# Altium PCB JTAG-批量下载V06.PcbDoc (part 13 of 13)
Units mil, origin at the board's own origin, x right, y up, seen from the top; angles counter-clockwise.
Board outline 6380 x 5290 mil, 2 copper layers (Top Layer, Bottom Layer); 190 components, 238 nets, 1050 pads, 459 vias.
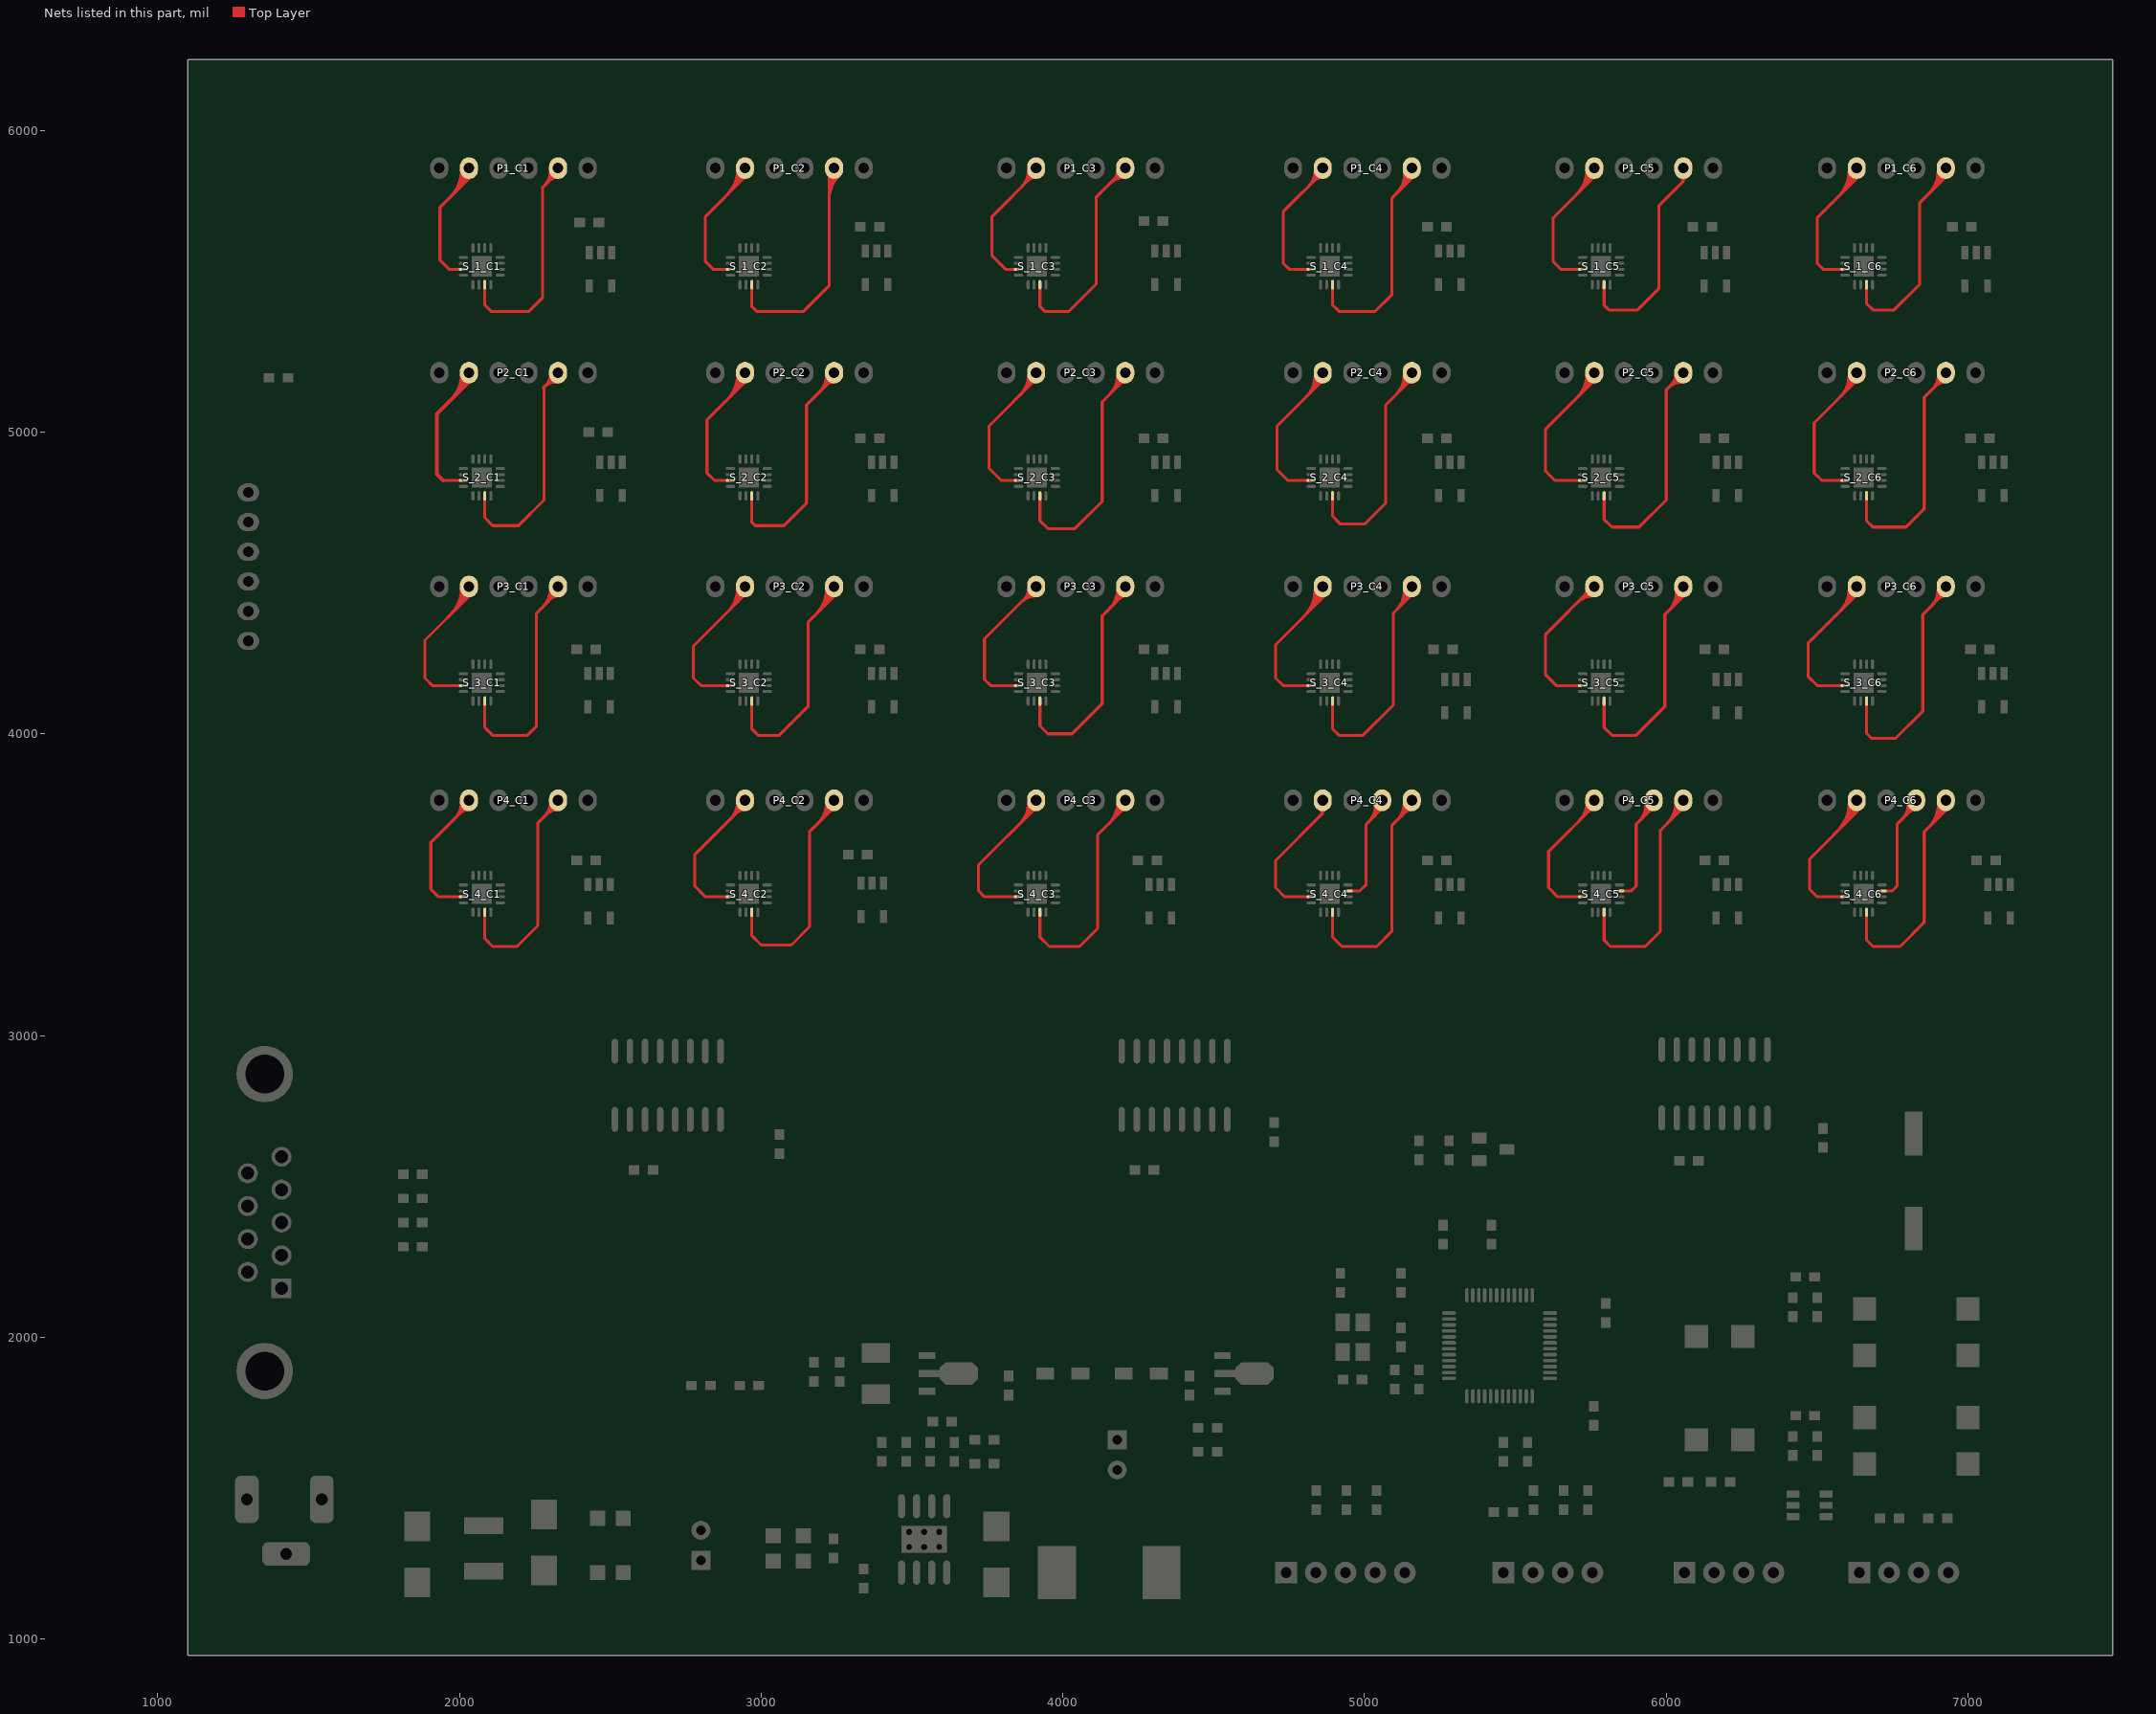
[diagram p13: the nets of this part, all layers, seen from the top]

## Via types
v1: diameter 32, hole 16, Top Layer to Bottom Layer, 347 vias
v2: diameter 50, hole 28, Top Layer to Bottom Layer, 63 vias
v3: diameter 40, hole 20, Top Layer to Bottom Layer, 49 vias

## Nets (pads, with @x,y where several pads share a name; then routed paths per layer and width w, separated by ;. In a path a pad name is that pad's centre, name@x,y a point inside that pad or via, vN(x,y) a via of type N, cw(c..) or ccw(c..) an arc to the next point about the centre after c; other vN are vias at no path point) (continued)
TDI_4_C4: P4_C4.3 S_4_C4.3 | length 822.8
  Top Layer w10: S_4_C4.3@4945,3479.37 4984.37,3479.37 5005,3500 5005,3700 P4_C4.3@5070,3765 ; 5015.19,3710.19 ccw(c4968.25,3757.13) P4_C4.3@5033.56,3769.04 ; 5015.19,3710.19 ccw(c4968.25,3757.13) P4_C4.3@5033.56,3769.04 ; 5015.19,3710.19 ccw(c4968.25,3757.13) P4_C4.3@5033.56,3769.04 ; 5028.68,3723.68 ccw(c4991.06,3761.29) P4_C4.3@5043.39,3770.84 ; 5028.68,3723.68 ccw(c4991.06,3761.29) P4_C4.3@5043.39,3770.84 ; 5028.68,3723.68 ccw(c4991.06,3761.29) P4_C4.3@5043.39,3770.84 ; 5042.16,3737.16 ccw(c5013.88,3765.45) P4_C4.3@5053.23,3772.63 ; 5042.16,3737.16 ccw(c5013.88,3765.45) P4_C4.3@5053.23,3772.63 ; 5042.16,3737.16 ccw(c5013.88,3765.45) P4_C4.3@5053.23,3772.63
TDI_4_C5: P4_C5.3 S_4_C5.3 | length 894.1
  Top Layer w10: S_4_C5.3@5845,3479.37 5884.37,3479.37 5900,3495 5900,3700 P4_C5.3@5960,3760 ; 5907.69,3707.69 ccw(c5846.04,3769.34) P4_C5.3@5933.17,3772.59 ; 5907.69,3707.69 ccw(c5846.04,3769.34) P4_C5.3@5933.17,3772.59 ; 5907.69,3707.69 ccw(c5846.04,3769.34) P4_C5.3@5933.17,3772.59 ; 5923.9,3723.9 ccw(c5877.29,3770.51) P4_C5.3@5943.16,3772.97 ; 5923.9,3723.9 ccw(c5877.29,3770.51) P4_C5.3@5943.16,3772.97 ; 5923.9,3723.9 ccw(c5877.29,3770.51) P4_C5.3@5943.16,3772.97 ; 5940.11,3740.11 ccw(c5908.54,3771.68) P4_C5.3@5953.15,3773.34 ; 5940.11,3740.11 ccw(c5908.54,3771.68) P4_C5.3@5953.15,3773.34 ; 5940.11,3740.11 ccw(c5908.54,3771.68) P4_C5.3@5953.15,3773.34 ; 5941.72,3741.72 cw(c5958.15,3725.3) P4_C5.3@5958.15,3748.53 ; 5941.72,3741.72 cw(c5958.15,3725.3) P4_C5.3@5958.15,3748.53 ; 5941.72,3741.72 cw(c5958.15,3725.3) P4_C5.3@5958.15,3748.53
TDI_4_C6: P4_C6.3 S_4_C6.3 | length 876.7
  Top Layer w10: S_4_C6.3@6715,3479.37 6749.37,3479.37 6765,3495 6765,3700 P4_C6.3@6835,3770 ; 6778.13,3713.13 ccw(c6717.74,3773.53) P4_C6.3@6803.15,3773.53 ; 6778.13,3713.13 ccw(c6717.74,3773.53) P4_C6.3@6803.15,3773.53 ; 6778.13,3713.13 ccw(c6717.74,3773.53) P4_C6.3@6803.15,3773.53 ; 6795.21,3730.21 ccw(c6751.88,3773.53) P4_C6.3@6813.15,3773.53 ; 6795.21,3730.21 ccw(c6751.88,3773.53) P4_C6.3@6813.15,3773.53 ; 6795.21,3730.21 ccw(c6751.88,3773.53) P4_C6.3@6813.15,3773.53 ; 6803.19,3738.19 cw(c6828.15,3713.23) P4_C6.3@6828.15,3748.53 ; 6803.19,3738.19 cw(c6828.15,3713.23) P4_C6.3@6828.15,3748.53 ; 6803.19,3738.19 cw(c6828.15,3713.23) P4_C6.3@6828.15,3748.53 ; 6812.28,3747.28 ccw(c6786.03,3773.53) P4_C6.3@6823.15,3773.53 ; 6812.28,3747.28 ccw(c6786.03,3773.53) P4_C6.3@6823.15,3773.53 ; 6812.28,3747.28 ccw(c6786.03,3773.53) P4_C6.3@6823.15,3773.53
TDO_1_C1: P1_C1.2 S_1_C1.15 | length 1140.1
  Top Layer w10: S_1_C1.15@2083.82,5488.5 2083.82,5421.18 2105,5400 2230,5400 2275,5445 2275,5810 P1_C1.2@2330,5865 ; 2278.72,5813.72 ccw(c2223.53,5868.9) P1_C1.2@2301.57,5868.98 ; 2278.72,5813.72 ccw(c2223.53,5868.9) P1_C1.2@2301.57,5868.98 ; 2278.72,5813.72 ccw(c2223.53,5868.9) P1_C1.2@2301.57,5868.98 ; 2295.76,5830.76 ccw(c2257.59,5868.93) P1_C1.2@2311.57,5868.99 ; 2295.76,5830.76 ccw(c2257.59,5868.93) P1_C1.2@2311.57,5868.99 ; 2295.76,5830.76 ccw(c2257.59,5868.93) P1_C1.2@2311.57,5868.99 ; 2296.57,5831.57 cw(c2326.57,5801.57) P1_C1.2@2326.57,5844 ; 2296.57,5831.57 cw(c2326.57,5801.57) P1_C1.2@2326.57,5844 ; 2296.57,5831.57 cw(c2326.57,5801.57) P1_C1.2@2326.57,5844
TDO_1_C2: P1_C2.2 S_1_C2.15 | length 1528.1
  Top Layer w10: S_1_C2.15@2968.82,5488.5 2968.82,5416.18 2985,5400 3140,5400 3225,5485 3225,5858.43 P1_C2.2@3241.57,5875 ; 3225,5768.63 cw(c3341.94,5768.63) P1_C2.2@3259.25,5851.32 ; 3225,5768.63 cw(c3341.94,5768.63) P1_C2.2@3259.25,5851.32 ; 3225,5768.63 cw(c3341.94,5768.63) P1_C2.2@3259.25,5851.32 ; 3225,5792.77 cw(c3317.8,5792.77) P1_C2.2@3252.18,5858.39 ; 3225,5792.77 cw(c3317.8,5792.77) P1_C2.2@3252.18,5858.39 ; 3225,5792.77 cw(c3317.8,5792.77) P1_C2.2@3252.18,5858.39 ; 3225,5816.92 cw(c3293.66,5816.92) P1_C2.2@3245.11,5865.46 ; 3225,5816.92 cw(c3293.66,5816.92) P1_C2.2@3245.11,5865.46 ; 3225,5816.92 cw(c3293.66,5816.92) P1_C2.2@3245.11,5865.46 ; 3225,5841.06 cw(c3269.52,5841.06) P1_C2.2@3238.04,5872.54 ; 3225,5841.06 cw(c3269.52,5841.06) P1_C2.2@3238.04,5872.54 ; 3225,5841.06 cw(c3269.52,5841.06) P1_C2.2@3238.04,5872.54
TDO_1_C3: P1_C3.2 S_1_C3.15 | length 1131.4
  Top Layer w10: S_1_C3.15@3923.82,5488.5 3923.82,5416.18 3940,5400 4020,5400 4110,5490 4110,5778.43 P1_C3.2@4206.57,5875 ; 4153.65,5822.08 cw(c4206.57,5769.16) P1_C3.2@4206.57,5844 ; 4153.65,5822.08 cw(c4206.57,5769.16) P1_C3.2@4206.57,5844 ; 4153.65,5822.08 cw(c4206.57,5769.16) P1_C3.2@4206.57,5844 ; 4168.14,5836.56 ccw(c4135.7,5869) P1_C3.2@4181.57,5869 ; 4168.14,5836.56 ccw(c4135.7,5869) P1_C3.2@4181.57,5869 ; 4168.14,5836.56 ccw(c4135.7,5869) P1_C3.2@4181.57,5869 ; 4170.72,5839.15 cw(c4206.57,5803.3) P1_C3.2@4206.57,5854 ; 4170.72,5839.15 cw(c4206.57,5803.3) P1_C3.2@4206.57,5854 ; 4170.72,5839.15 cw(c4206.57,5803.3) P1_C3.2@4206.57,5854
TDO_1_C4: P1_C4.2 S_1_C4.15 | length 1491.3
  Top Layer w10: S_1_C4.15@4893.82,5488.5 4893.82,5421.18 4915,5400 5035,5400 5090,5455 5090,5775 5156.57,5841.57 P1_C4.2@5156.57,5875 ; 5103.72,5788.72 ccw(c5035.11,5857.32) P1_C4.2@5131.69,5866.61 ; 5103.72,5788.72 ccw(c5035.11,5857.32) P1_C4.2@5131.69,5866.61 ; 5103.72,5788.72 ccw(c5035.11,5857.32) P1_C4.2@5131.69,5866.61 ; 5118.71,5803.71 ccw(c5062.47,5859.95) P1_C4.2@5141.64,5867.56 ; 5118.71,5803.71 ccw(c5062.47,5859.95) P1_C4.2@5141.64,5867.56 ; 5118.71,5803.71 ccw(c5062.47,5859.95) P1_C4.2@5141.64,5867.56 ; 5133.71,5818.71 ccw(c5089.83,5862.58) P1_C4.2@5151.6,5868.52 ; 5133.71,5818.71 ccw(c5089.83,5862.58) P1_C4.2@5151.6,5868.52 ; 5133.71,5818.71 ccw(c5089.83,5862.58) P1_C4.2@5151.6,5868.52 ; 5148.7,5833.7 ccw(c5117.19,5865.21) P1_C4.2@5161.55,5869.48 ; 5148.7,5833.7 ccw(c5117.19,5865.21) P1_C4.2@5161.55,5869.48 ; 5148.7,5833.7 ccw(c5117.19,5865.21) P1_C4.2@5161.55,5869.48
TDO_1_C5: P1_C5.2 S_1_C5.15 | length 827.6
  Top Layer w10: S_1_C5.15@5793.82,5488.5 5793.82,5421.18 5810,5405 5905,5405 5975,5475 5975,5750 6056.57,5831.57 ; P1_C5.2@6056.57,5875 6056.57,5831.57 ; P1_C5.2@6047,5845.91 cw(c6041.06,5831.57) 6056.57,5831.57 ; P1_C5.2@6047,5845.91 cw(c6041.06,5831.57) 6056.57,5831.57 ; P1_C5.2@6047,5845.91 cw(c6041.06,5831.57) 6056.57,5831.57 ; 6056.57,5831.57 cw(c6072.09,5831.57) P1_C5.2@6066.15,5845.91 ; 6056.57,5831.57 cw(c6072.09,5831.57) P1_C5.2@6066.15,5845.91 ; 6056.57,5831.57 cw(c6072.09,5831.57) P1_C5.2@6066.15,5845.91
TDO_1_C6: P1_C6.2 S_1_C6.15 | length 1441.1
  Top Layer w10: S_1_C6.15@6663.82,5488.5 6663.82,5426.18 6685,5405 6755,5405 6840,5490 6840,5760 6926.57,5846.57 P1_C6.2@6926.57,5875 ; 6868.04,5788.04 ccw(c6787.08,5869) P1_C6.2@6901.57,5869 ; 6868.04,5788.04 ccw(c6787.08,5869) P1_C6.2@6901.57,5869 ; 6868.04,5788.04 ccw(c6787.08,5869) P1_C6.2@6901.57,5869 ; 6885.11,5805.11 ccw(c6821.22,5869) P1_C6.2@6911.57,5869 ; 6885.11,5805.11 ccw(c6821.22,5869) P1_C6.2@6911.57,5869 ; 6885.11,5805.11 ccw(c6821.22,5869) P1_C6.2@6911.57,5869 ; 6902.18,5822.18 ccw(c6855.36,5869) P1_C6.2@6921.57,5869 ; 6902.18,5822.18 ccw(c6855.36,5869) P1_C6.2@6921.57,5869 ; 6902.18,5822.18 ccw(c6855.36,5869) P1_C6.2@6921.57,5869 ; 6919.25,5839.25 ccw(c6889.5,5869) P1_C6.2@6931.57,5869 ; 6919.25,5839.25 ccw(c6889.5,5869) P1_C6.2@6931.57,5869 ; 6919.25,5839.25 ccw(c6889.5,5869) P1_C6.2@6931.57,5869
TDO_2_C1: P2_C1.2 S_2_C1.15 | length 1132.6
  Top Layer w10: S_2_C1.15@2083.82,4788.5 2083.82,4716.18 2110,4690 2195,4690 2280,4775 2280,5150.28 P2_C1.2@2326.57,5196.85 ; 2277,5147.28 cw(c2322.11,5102.17) P2_C1.2@2325.32,5165.88 ; 2277,5147.28 cw(c2322.11,5102.17) P2_C1.2@2325.32,5165.88 ; 2277,5147.28 cw(c2322.11,5102.17) P2_C1.2@2325.32,5165.88 ; 2288.14,5158.42 ccw(c2255.7,5190.85) P2_C1.2@2301.57,5190.85 ; 2288.14,5158.42 ccw(c2255.7,5190.85) P2_C1.2@2301.57,5190.85 ; 2288.14,5158.42 ccw(c2255.7,5190.85) P2_C1.2@2301.57,5190.85 ; 2292.93,5163.2 cw(c2323.64,5132.5) P2_C1.2@2325.82,5175.87 ; 2292.93,5163.2 cw(c2323.64,5132.5) P2_C1.2@2325.82,5175.87 ; 2292.93,5163.2 cw(c2323.64,5132.5) P2_C1.2@2325.82,5175.87
TDO_2_C2: P2_C2.2 S_2_C2.15 | length 1193.1
  Top Layer w10: S_2_C2.15@2968.82,4788.5 2968.82,4701.18 2980,4690 3075,4690 3150,4765 3150,5090 P2_C2.2@3250,5190 ; 3192.34,5132.34 ccw(c3133.82,5190.85) P2_C2.2@3216.57,5190.85 ; 3192.34,5132.34 ccw(c3133.82,5190.85) P2_C2.2@3216.57,5190.85 ; 3192.34,5132.34 ccw(c3133.82,5190.85) P2_C2.2@3216.57,5190.85 ; 3209.41,5149.41 ccw(c3167.97,5190.85) P2_C2.2@3226.57,5190.85 ; 3209.41,5149.41 ccw(c3167.97,5190.85) P2_C2.2@3226.57,5190.85 ; 3209.41,5149.41 ccw(c3167.97,5190.85) P2_C2.2@3226.57,5190.85 ; 3214.73,5154.73 cw(c3241.57,5127.89) P2_C2.2@3241.57,5165.85 ; 3214.73,5154.73 cw(c3241.57,5127.89) P2_C2.2@3241.57,5165.85 ; 3214.73,5154.73 cw(c3241.57,5127.89) P2_C2.2@3241.57,5165.85
TDO_2_C3: P2_C3.2 S_2_C3.15 | length 1355.8
  Top Layer w10: S_2_C3.15@3923.82,4788.5 3923.82,4706.18 3950,4680 4040,4680 4130,4770 4130,5100 4206.57,5176.57 P2_C3.2@4206.57,5196.85 ; 4153.8,5123.8 ccw(c4086.75,5190.85) P2_C3.2@4181.57,5190.85 ; 4153.8,5123.8 ccw(c4086.75,5190.85) P2_C3.2@4181.57,5190.85 ; 4153.8,5123.8 ccw(c4086.75,5190.85) P2_C3.2@4181.57,5190.85 ; 4170.87,5140.87 ccw(c4120.89,5190.85) P2_C3.2@4191.57,5190.85 ; 4170.87,5140.87 ccw(c4120.89,5190.85) P2_C3.2@4191.57,5190.85 ; 4170.87,5140.87 ccw(c4120.89,5190.85) P2_C3.2@4191.57,5190.85 ; 4187.94,5157.94 ccw(c4155.04,5190.85) P2_C3.2@4201.57,5190.85 ; 4187.94,5157.94 ccw(c4155.04,5190.85) P2_C3.2@4201.57,5190.85 ; 4187.94,5157.94 ccw(c4155.04,5190.85) P2_C3.2@4201.57,5190.85 ; 4188.27,5158.27 cw(c4206.57,5139.96) P2_C3.2@4206.57,5165.85 ; 4188.27,5158.27 cw(c4206.57,5139.96) P2_C3.2@4206.57,5165.85 ; 4188.27,5158.27 cw(c4206.57,5139.96) P2_C3.2@4206.57,5165.85
TDO_2_C4: P2_C4.2 S_2_C4.15 | length 1311.7
  Top Layer w10: S_2_C4.15@4893.82,4788.5 4893.82,4721.18 4920,4695 5000,4695 5070,4765 5070,5090 5156.57,5176.57 P2_C4.2@5156.57,5196.85 ; 5103.8,5123.8 ccw(c5036.75,5190.85) P2_C4.2@5131.57,5190.85 ; 5103.8,5123.8 ccw(c5036.75,5190.85) P2_C4.2@5131.57,5190.85 ; 5103.8,5123.8 ccw(c5036.75,5190.85) P2_C4.2@5131.57,5190.85 ; 5120.87,5140.87 ccw(c5070.89,5190.85) P2_C4.2@5141.57,5190.85 ; 5120.87,5140.87 ccw(c5070.89,5190.85) P2_C4.2@5141.57,5190.85 ; 5120.87,5140.87 ccw(c5070.89,5190.85) P2_C4.2@5141.57,5190.85 ; 5137.94,5157.94 ccw(c5105.04,5190.85) P2_C4.2@5151.57,5190.85 ; 5137.94,5157.94 ccw(c5105.04,5190.85) P2_C4.2@5151.57,5190.85 ; 5137.94,5157.94 ccw(c5105.04,5190.85) P2_C4.2@5151.57,5190.85 ; 5138.27,5158.27 cw(c5156.57,5139.96) P2_C4.2@5156.57,5165.85 ; 5138.27,5158.27 cw(c5156.57,5139.96) P2_C4.2@5156.57,5165.85 ; 5138.27,5158.27 cw(c5156.57,5139.96) P2_C4.2@5156.57,5165.85
TDO_2_C5: P2_C5.2 S_2_C5.15 | length 1180.8
  Top Layer w10: S_2_C5.15@5793.82,4788.5 5793.82,4711.18 5820,4685 5910,4685 6000,4775 6000,5140.28 P2_C5.2@6056.57,5196.85 ; 6003.65,5143.93 cw(c6056.57,5091.01) P2_C5.2@6056.57,5165.85 ; 6003.65,5143.93 cw(c6056.57,5091.01) P2_C5.2@6056.57,5165.85 ; 6003.65,5143.93 cw(c6056.57,5091.01) P2_C5.2@6056.57,5165.85 ; 6018.14,5158.42 ccw(c5985.7,5190.85) P2_C5.2@6031.57,5190.85 ; 6018.14,5158.42 ccw(c5985.7,5190.85) P2_C5.2@6031.57,5190.85 ; 6018.14,5158.42 ccw(c5985.7,5190.85) P2_C5.2@6031.57,5190.85 ; 6020.72,5161 cw(c6056.57,5125.15) P2_C5.2@6056.57,5175.85 ; 6020.72,5161 cw(c6056.57,5125.15) P2_C5.2@6056.57,5175.85 ; 6020.72,5161 cw(c6056.57,5125.15) P2_C5.2@6056.57,5175.85
TDO_2_C6: P2_C6.2 S_2_C6.15 | length 1177.3
  Top Layer w10: S_2_C6.15@6663.82,4788.5 6663.82,4706.18 6685,4685 6795,4685 6855,4745 6855,5115 P2_C6.2@6930,5190 ; 6880.87,5140.87 ccw(c6830.89,5190.85) P2_C6.2@6901.57,5190.85 ; 6880.87,5140.87 ccw(c6830.89,5190.85) P2_C6.2@6901.57,5190.85 ; 6880.87,5140.87 ccw(c6830.89,5190.85) P2_C6.2@6901.57,5190.85 ; 6891.2,5151.2 cw(c6926.57,5115.82) P2_C6.2@6926.57,5165.85 ; 6891.2,5151.2 cw(c6926.57,5115.82) P2_C6.2@6926.57,5165.85 ; 6891.2,5151.2 cw(c6926.57,5115.82) P2_C6.2@6926.57,5165.85 ; 6897.94,5157.94 ccw(c6865.04,5190.85) P2_C6.2@6911.57,5190.85 ; 6897.94,5157.94 ccw(c6865.04,5190.85) P2_C6.2@6911.57,5190.85 ; 6897.94,5157.94 ccw(c6865.04,5190.85) P2_C6.2@6911.57,5190.85
TDO_3_C1: P3_C1.2 S_3_C1.15 | length 1288.9
  Top Layer w10: S_3_C1.15@2083.82,4108.5 2083.82,4021.18 2110,3995 2225,3995 2255,4025 2255,4400 P3_C1.2@2335,4480 ; 2276.39,4421.39 ccw(c2215.59,4482.19) P3_C1.2@2301.57,4482.19 ; 2276.39,4421.39 ccw(c2215.59,4482.19) P3_C1.2@2301.57,4482.19 ; 2276.39,4421.39 ccw(c2215.59,4482.19) P3_C1.2@2301.57,4482.19 ; 2293.46,4438.46 ccw(c2249.73,4482.19) P3_C1.2@2311.57,4482.19 ; 2293.46,4438.46 ccw(c2249.73,4482.19) P3_C1.2@2311.57,4482.19 ; 2293.46,4438.46 ccw(c2249.73,4482.19) P3_C1.2@2311.57,4482.19 ; 2302.02,4447.02 cw(c2326.57,4422.46) P3_C1.2@2326.57,4457.19 ; 2302.02,4447.02 cw(c2326.57,4422.46) P3_C1.2@2326.57,4457.19 ; 2302.02,4447.02 cw(c2326.57,4422.46) P3_C1.2@2326.57,4457.19 ; 2310.53,4455.53 ccw(c2283.88,4482.19) P3_C1.2@2321.57,4482.19 ; 2310.53,4455.53 ccw(c2283.88,4482.19) P3_C1.2@2321.57,4482.19 ; 2310.53,4455.53 ccw(c2283.88,4482.19) P3_C1.2@2321.57,4482.19
TDO_3_C2: P3_C2.2 S_3_C2.15 | length 1571.3
  Top Layer w10: S_3_C2.15@2968.82,4108.5 2968.82,4016.18 2990,3995 3060,3995 3155,4090 3155,4370 3250,4465 P3_C2.2@3250,4485 ; 3180.78,4395.78 ccw(c3094.38,4482.19) P3_C2.2@3216.57,4482.19 ; 3180.78,4395.78 ccw(c3094.38,4482.19) P3_C2.2@3216.57,4482.19 ; 3180.78,4395.78 ccw(c3094.38,4482.19) P3_C2.2@3216.57,4482.19 ; 3197.85,4412.85 ccw(c3128.52,4482.19) P3_C2.2@3226.57,4482.19 ; 3197.85,4412.85 ccw(c3128.52,4482.19) P3_C2.2@3226.57,4482.19 ; 3197.85,4412.85 ccw(c3128.52,4482.19) P3_C2.2@3226.57,4482.19 ; 3214.93,4429.93 ccw(c3162.66,4482.19) P3_C2.2@3236.57,4482.19 ; 3214.93,4429.93 ccw(c3162.66,4482.19) P3_C2.2@3236.57,4482.19 ; 3214.93,4429.93 ccw(c3162.66,4482.19) P3_C2.2@3236.57,4482.19 ; 3232,4447 ccw(c3196.8,4482.19) P3_C2.2@3246.57,4482.19 ; 3232,4447 ccw(c3196.8,4482.19) P3_C2.2@3246.57,4482.19 ; 3232,4447 ccw(c3196.8,4482.19) P3_C2.2@3246.57,4482.19
TDO_3_C3: P3_C3.2 S_3_C3.15 | length 1326.8
  Top Layer w10: S_3_C3.15@3923.82,4108.5 3923.82,4026.18 3950,4000 4030,4000 4130,4100 4130,4390 P3_C3.2@4215,4475 ; 4152.85,4412.85 ccw(c4083.52,4482.19) P3_C3.2@4181.57,4482.19 ; 4152.85,4412.85 ccw(c4083.52,4482.19) P3_C3.2@4181.57,4482.19 ; 4152.85,4412.85 ccw(c4083.52,4482.19) P3_C3.2@4181.57,4482.19 ; 4169.93,4429.93 ccw(c4117.66,4482.19) P3_C3.2@4191.57,4482.19 ; 4169.93,4429.93 ccw(c4117.66,4482.19) P3_C3.2@4191.57,4482.19 ; 4169.93,4429.93 ccw(c4117.66,4482.19) P3_C3.2@4191.57,4482.19 ; 4187,4447 ccw(c4151.81,4482.19) P3_C3.2@4201.57,4482.19 ; 4187,4447 ccw(c4151.81,4482.19) P3_C3.2@4201.57,4482.19 ; 4187,4447 ccw(c4151.81,4482.19) P3_C3.2@4201.57,4482.19 ; 4190.55,4450.55 cw(c4206.57,4434.53) P3_C3.2@4206.57,4457.19 ; 4190.55,4450.55 cw(c4206.57,4434.53) P3_C3.2@4206.57,4457.19 ; 4190.55,4450.55 cw(c4206.57,4434.53) P3_C3.2@4206.57,4457.19
TDO_3_C4: P3_C4.2 S_3_C4.15 | length 1302.8
  Top Layer w10: S_3_C4.15@4893.82,4108.5 4893.82,4016.18 4915,3995 4995,3995 5095,4095 5095,4400 P3_C4.2@5170,4475 ; 5105.31,4410.31 ccw(c5041.26,4474.36) P3_C4.2@5131.63,4480.5 ; 5105.31,4410.31 ccw(c5041.26,4474.36) P3_C4.2@5131.63,4480.5 ; 5105.31,4410.31 ccw(c5041.26,4474.36) P3_C4.2@5131.63,4480.5 ; 5120.87,4425.87 ccw(c5070.4,4476.34) P3_C4.2@5141.61,4481.17 ; 5120.87,4425.87 ccw(c5070.4,4476.34) P3_C4.2@5141.61,4481.17 ; 5120.87,4425.87 ccw(c5070.4,4476.34) P3_C4.2@5141.61,4481.17 ; 5136.42,4441.42 ccw(c5099.53,4478.32) P3_C4.2@5151.59,4481.85 ; 5136.42,4441.42 ccw(c5099.53,4478.32) P3_C4.2@5151.59,4481.85 ; 5136.42,4441.42 ccw(c5099.53,4478.32) P3_C4.2@5151.59,4481.85
TDO_3_C5: P3_C5.2 S_3_C5.15 | length 1427.2
  Top Layer w10: S_3_C5.15@5793.82,4108.5 5793.82,4021.18 5820,3995 5900,3995 5995,4090 5995,4395 P3_C5.2@6070,4470 ; 6007.81,4407.81 ccw(c5948.07,4467.55) P3_C5.2@6031.8,4478.85 ; 6007.81,4407.81 ccw(c5948.07,4467.55) P3_C5.2@6031.8,4478.85 ; 6007.81,4407.81 ccw(c5948.07,4467.55) P3_C5.2@6031.8,4478.85 ; 6022.09,4422.09 ccw(c5973.24,4470.95) P3_C5.2@6041.71,4480.18 ; 6022.09,4422.09 ccw(c5973.24,4470.95) P3_C5.2@6041.71,4480.18 ; 6022.09,4422.09 ccw(c5973.24,4470.95) P3_C5.2@6041.71,4480.18 ; 6036.37,4436.37 ccw(c5998.4,4474.34) P3_C5.2@6051.62,4481.52 ; 6036.37,4436.37 ccw(c5998.4,4474.34) P3_C5.2@6051.62,4481.52 ; 6036.37,4436.37 ccw(c5998.4,4474.34) P3_C5.2@6051.62,4481.52 ; 6050.65,4450.65 ccw(c6023.57,4477.74) P3_C5.2@6061.53,4482.86 ; 6050.65,4450.65 ccw(c6023.57,4477.74) P3_C5.2@6061.53,4482.86 ; 6050.65,4450.65 ccw(c6023.57,4477.74) P3_C5.2@6061.53,4482.86
TDO_3_C6: P3_C6.2 S_3_C6.15 | length 1289.6
  Top Layer w10: S_3_C6.15@6663.82,4108.5 6663.82,4001.18 6680,3985 6760,3985 6850,4075 6850,4395 P3_C6.2@6930,4475 ; 6876.39,4421.39 ccw(c6815.59,4482.19) P3_C6.2@6901.57,4482.19 ; 6876.39,4421.39 ccw(c6815.59,4482.19) P3_C6.2@6901.57,4482.19 ; 6876.39,4421.39 ccw(c6815.59,4482.19) P3_C6.2@6901.57,4482.19 ; 6893.46,4438.46 ccw(c6849.73,4482.19) P3_C6.2@6911.57,4482.19 ; 6893.46,4438.46 ccw(c6849.73,4482.19) P3_C6.2@6911.57,4482.19 ; 6893.46,4438.46 ccw(c6849.73,4482.19) P3_C6.2@6911.57,4482.19 ; 6902.02,4447.02 cw(c6926.57,4422.46) P3_C6.2@6926.57,4457.19 ; 6902.02,4447.02 cw(c6926.57,4422.46) P3_C6.2@6926.57,4457.19 ; 6902.02,4447.02 cw(c6926.57,4422.46) P3_C6.2@6926.57,4457.19 ; 6910.53,4455.53 ccw(c6883.88,4482.19) P3_C6.2@6921.57,4482.19 ; 6910.53,4455.53 ccw(c6883.88,4482.19) P3_C6.2@6921.57,4482.19 ; 6910.53,4455.53 ccw(c6883.88,4482.19) P3_C6.2@6921.57,4482.19
TDO_4_C1: P4_C1.2 S_4_C1.15 | length 1197.4
  Top Layer w10: S_4_C1.15@2083.82,3408.5 2083.82,3321.18 2110,3295 2190,3295 2260,3365 2260,3705 P4_C1.2@2330,3775 ; 2282.51,3727.51 ccw(c2236.5,3773.53) P4_C1.2@2301.57,3773.53 ; 2282.51,3727.51 ccw(c2236.5,3773.53) P4_C1.2@2301.57,3773.53 ; 2282.51,3727.51 ccw(c2236.5,3773.53) P4_C1.2@2301.57,3773.53 ; 2287.23,3732.23 cw(c2326.57,3692.89) P4_C1.2@2326.57,3748.53 ; 2287.23,3732.23 cw(c2326.57,3692.89) P4_C1.2@2326.57,3748.53 ; 2287.23,3732.23 cw(c2326.57,3692.89) P4_C1.2@2326.57,3748.53 ; 2299.59,3744.59 ccw(c2270.64,3773.53) P4_C1.2@2311.57,3773.53 ; 2299.59,3744.59 ccw(c2270.64,3773.53) P4_C1.2@2311.57,3773.53 ; 2299.59,3744.59 ccw(c2270.64,3773.53) P4_C1.2@2311.57,3773.53 ; 2304.3,3749.3 cw(c2326.57,3727.03) P4_C1.2@2326.57,3758.53 ; 2304.3,3749.3 cw(c2326.57,3727.03) P4_C1.2@2326.57,3758.53 ; 2304.3,3749.3 cw(c2326.57,3727.03) P4_C1.2@2326.57,3758.53
TDO_4_C2: P4_C2.2 S_4_C2.15 | length 1339.6
  Top Layer w10: S_4_C2.15@2968.82,3408.5 2968.82,3331.18 3000,3300 3100,3300 3160,3360 3160,3675 P4_C2.2@3250,3765 ; 3186.91,3701.91 ccw(c3115.29,3773.53) P4_C2.2@3216.57,3773.53 ; 3186.91,3701.91 ccw(c3115.29,3773.53) P4_C2.2@3216.57,3773.53 ; 3186.91,3701.91 ccw(c3115.29,3773.53) P4_C2.2@3216.57,3773.53 ; 3203.98,3718.98 ccw(c3149.43,3773.53) P4_C2.2@3226.57,3773.53 ; 3203.98,3718.98 ccw(c3149.43,3773.53) P4_C2.2@3226.57,3773.53 ; 3203.98,3718.98 ccw(c3149.43,3773.53) P4_C2.2@3226.57,3773.53 ; 3221.05,3736.05 ccw(c3183.57,3773.53) P4_C2.2@3236.57,3773.53 ; 3221.05,3736.05 ccw(c3183.57,3773.53) P4_C2.2@3236.57,3773.53 ; 3221.05,3736.05 ccw(c3183.57,3773.53) P4_C2.2@3236.57,3773.53 ; 3227.84,3742.84 cw(c3241.57,3729.1) P4_C2.2@3241.57,3748.53 ; 3227.84,3742.84 cw(c3241.57,3729.1) P4_C2.2@3241.57,3748.53 ; 3227.84,3742.84 cw(c3241.57,3729.1) P4_C2.2@3241.57,3748.53